# Altium PCB RTM_4SFP_3QSFP.PcbDoc (part 2 of 4) (continued)
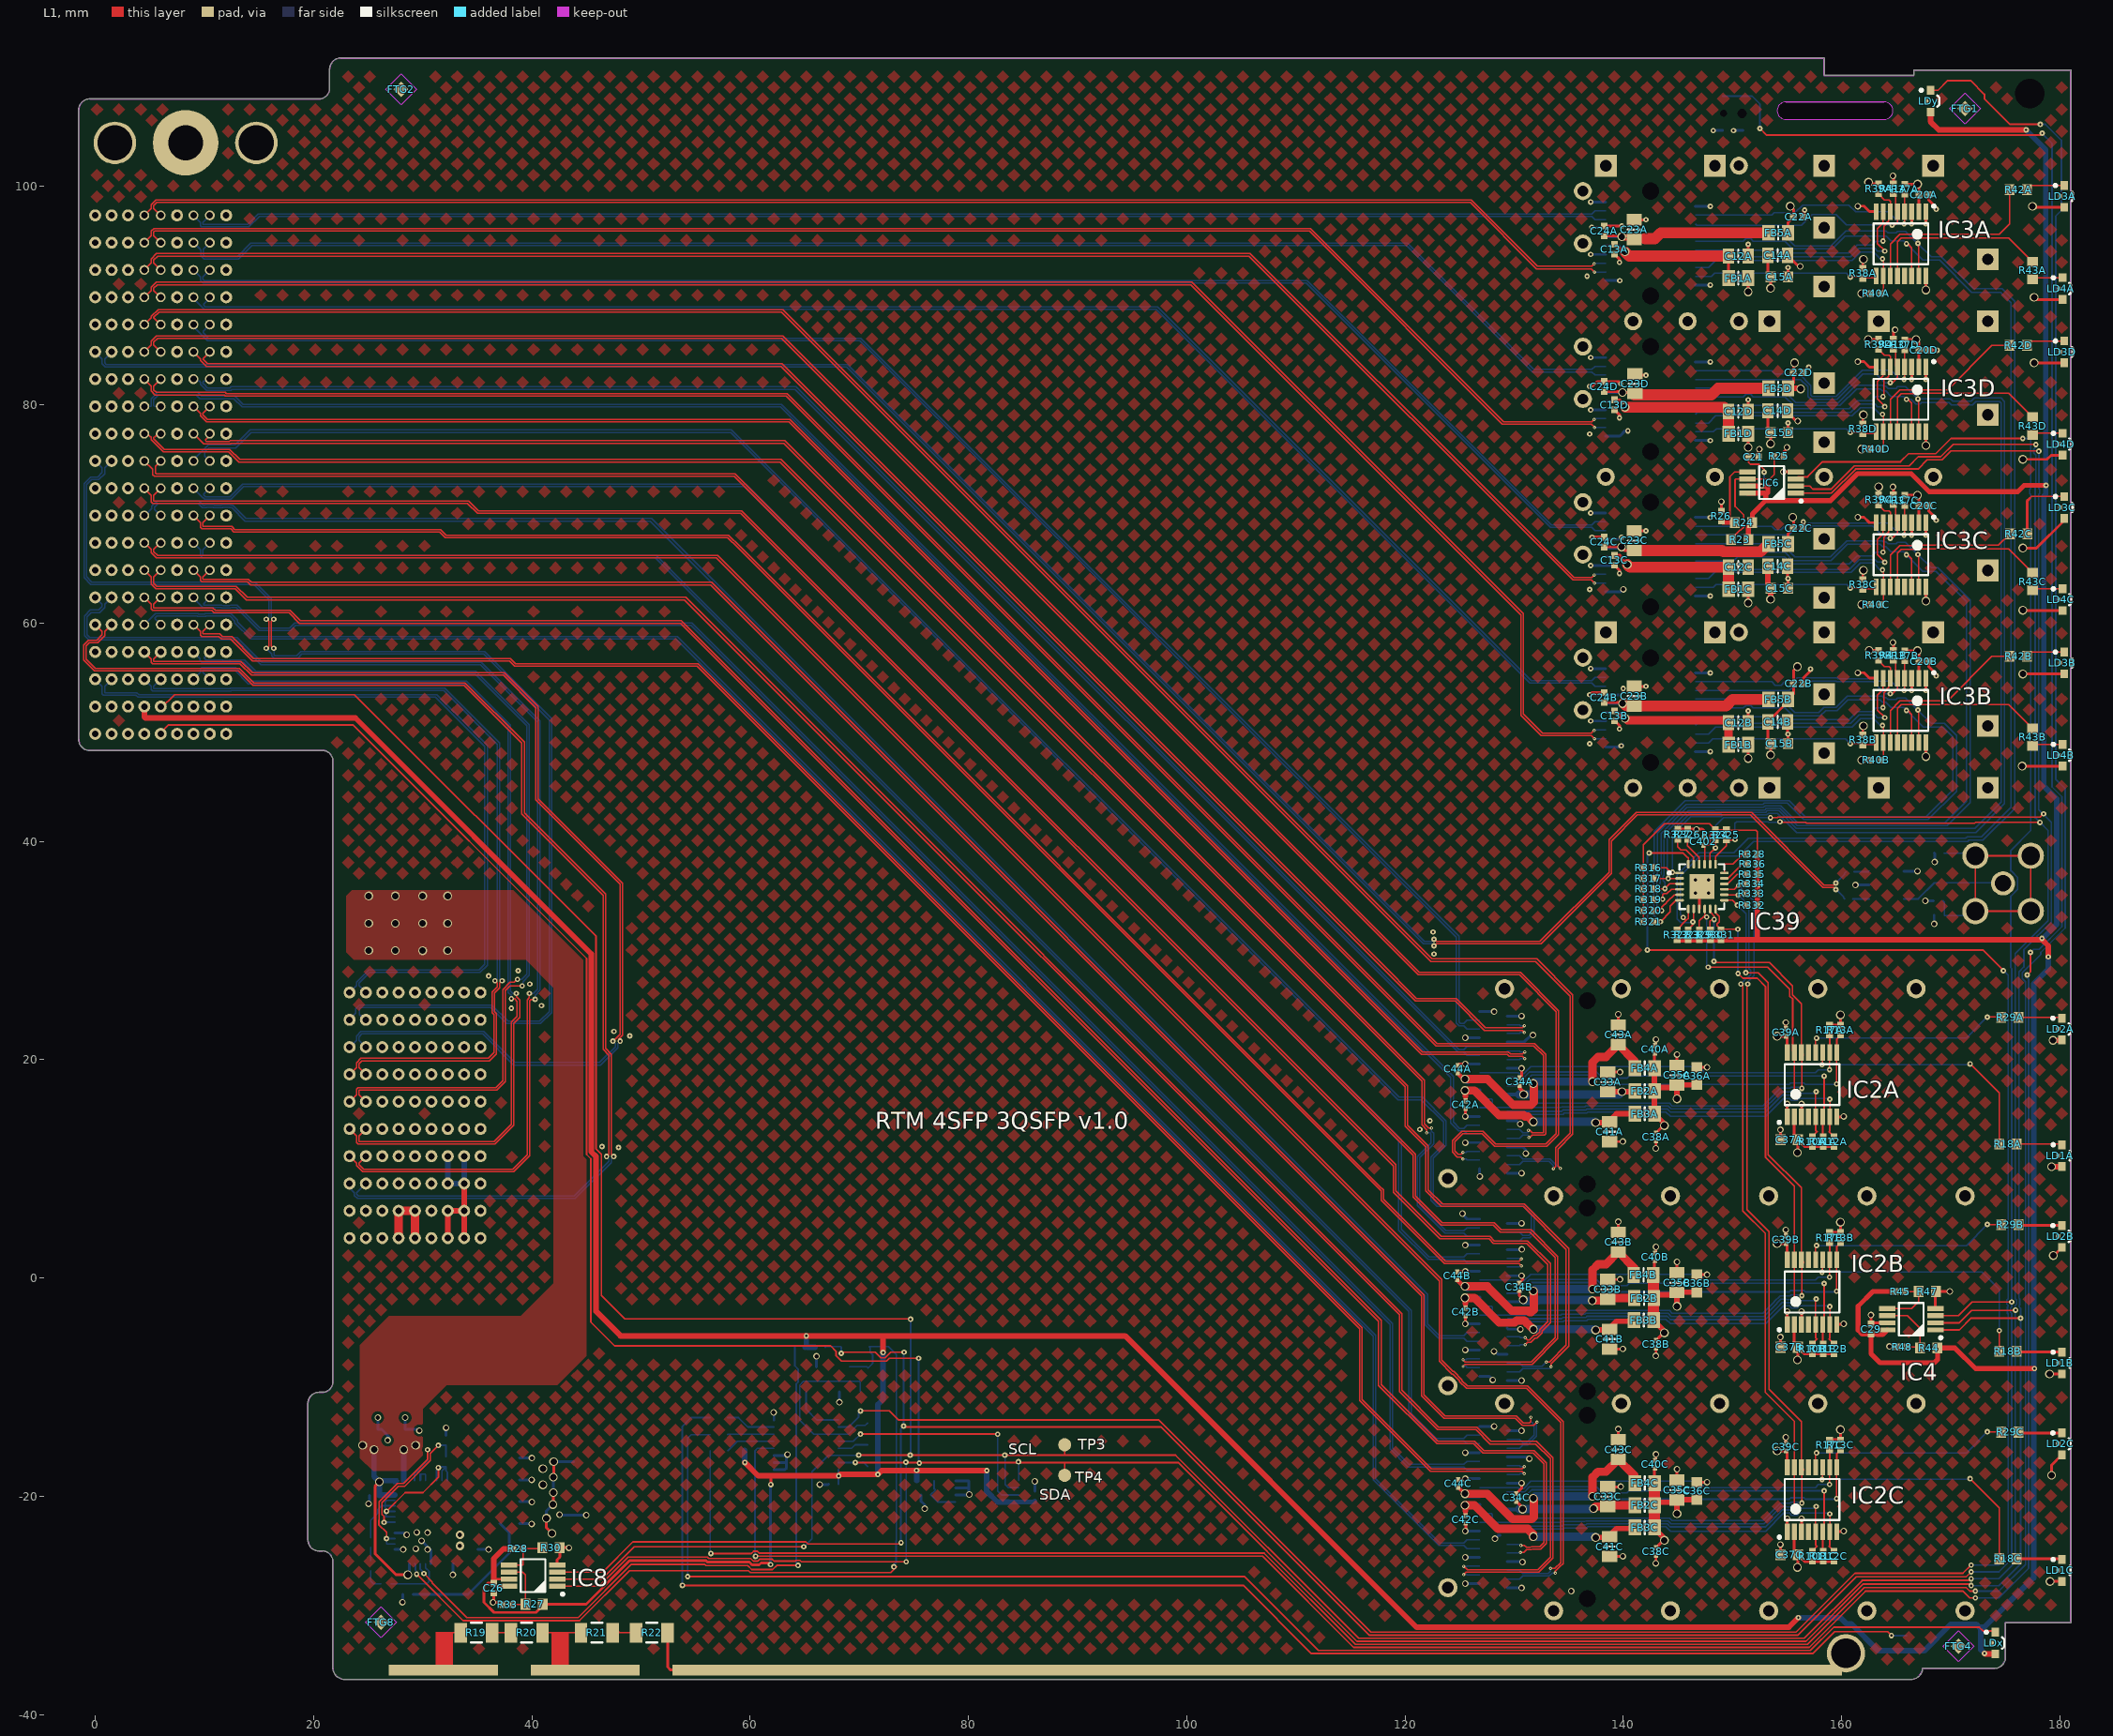
[diagram p0: L1 view]
## Nets (pads, with @x,y where several pads share a name; then routed paths per layer and width w, separated by ;. In a path a pad name is that pad's centre, name@x,y a point inside that pad or via, vN(x,y) a via of type N, cw(c..) or ccw(c..) an arc to the next point about the centre after c; other vN are vias at no path point) (continued)
  L4 w0.254: v2(25.041,-20.685) 25.141,-20.585 C8.1@25.141,-19.928 ; v2(25.891,-12.803) C6.1@25.891,-13.878 26.241,-13.878 26.791,-14.428 ; v2(26.791,-14.878) 26.791,-14.428 ; 26.932,-14.57 26.791,-14.428 ; IC1.42@27.466,-24.878 v2(28.217,-24.878) ; IC1.45@27.466,-23.378 28.387,-23.378 v2(28.541,-23.535) v2(28.541,-23.535) ; v2(28.146,-29.71) 28.191,-29.664 R3.1@28.191,-28.998 ; v2(28.393,-12.803) C7.1@28.393,-13.878 29.589,-13.878 v2(29.693,-13.983) ; IC1.53@29.903,-24.078 30.766,-24.941 IC1.35@30.766,-26.178 ; C11.1@32.146,-14.428 v2(32.146,-13.735) ; v2(32.766,-27.205) IC1.31@32.766,-26.178 ; IC1.26@35.066,-24.878 v2(36.041,-24.878) ; C1.1@38.891,-22.503 39.947,-22.503 v2(39.979,-22.535) ; C4.1@38.891,-20.503 39.979,-20.503 v2(40.01,-20.535) ; C3.1@38.891,-18.503 v2(39.985,-18.503) ; C2.1@38.891,-16.503 v2(40.01,-16.503) ; v2(42.541,-21.694) 42.575,-21.728 C5.2@43.841,-21.728 v2(44.991,-21.728) ; v2(62.154,-12.319) 62.186,-12.351 IC14.8@62.186,-13.014 ; IC14.1@62.186,-17.564 63.185,-17.564 63.34,-17.409 63.34,-16.848 ; IC14.2@62.186,-16.914 63.274,-16.914 63.34,-16.848 ; IC14.3@62.186,-16.264 63.34,-16.264 63.34,-16.848 ; T2.2@66.086,-8.139 66.086,-7.443 v2(66.086,-7.187) ; v2(66.396,-18.923) 67.152,-18.923 C27.2@67.186,-18.889 ; v2(68.186,-11.391) 68.186,-11.135 T1.2@68.186,-10.439 ; R75.1@75.646,-19.879 75.646,-20.44 76.002,-20.796 v2(76.002,-21.142) ; IC10.2@78.818,-19.879 80.051,-19.879 80.051,-19.371 ; IC10.3@78.818,-19.229 79.909,-19.229 80.051,-19.371 ; IC10.4@78.818,-18.579 79.996,-18.579 80.051,-18.634 80.051,-19.371 ; v2(86.081,-18.644) 86.106,-18.669 C25.2@86.106,-19.54 ; v2(125.27,5.889) 125.27,5.823 125.693,5.4 J5B.38@126.845,5.4 ; v2(125.518,-28) 125.774,-28 J5C.20@126.845,-28 ; v2(125.518,-25.6) J5C.23@126.845,-25.6 ; v2(125.518,-23.2) 125.774,-23.2 J5C.26@126.845,-23.2 ; v2(125.518,-18.4) 125.774,-18.4 J5C.32@126.845,-18.4 ; v2(125.518,-16) J5C.35@126.845,-16 ; v2(125.518,-6.6) J5B.23@126.845,-6.6 ; v2(125.518,-4.2) 125.774,-4.2 J5B.26@126.845,-4.2 ; v2(125.518,0.6) 125.774,0.6 J5B.32@126.845,0.6 ; v2(125.518,3) J5B.35@126.845,3 ; v2(125.518,12.4) J5A.23@126.845,12.4 ; v2(125.518,14.8) 125.774,14.8 J5A.26@126.845,14.8 ; v2(125.518,19.6) 125.774,19.6 J5A.32@126.845,19.6 ; v2(125.518,22) J5A.35@126.845,22 ; J5C.38@126.845,-13.6 v2(128.172,-13.6) ; J5B.20@126.845,-9 127.703,-9 v2(128.044,-9.342) ; J5A.20@126.845,10 126.845,9.307 v2(126.852,9.3) ; J5A.38@126.845,24.4 v2(128.172,24.4) ; v2(128.161,-6.725) 128.206,-6.68 128.526,-7 J5B.16@129.355,-7 ; v2(128.251,-23.892) 128.543,-23.6 J5C.13@128.715,-23.6 ; J5C.19@129.355,-28.4 v2(130.682,-28.4) ; J5C.16@129.355,-26 130.725,-26 v2(130.76,-26.035) ; J5C.7@129.355,-18.8 v2(130.682,-18.8) ; J5C.4@129.355,-16.4 131.24,-16.4 v2(131.397,-16.557) ; J5C.1@129.355,-14 v2(130.682,-14) ; J5B.19@129.355,-9.4 v2(130.682,-9.4) ; J5B.13@129.355,-4.6 129.454,-4.699 v2(130.581,-4.699) ; J5B.7@129.355,0.2 v2(130.682,0.2) ; J5B.4@129.355,2.6 130.695,2.6 v2(130.715,2.62) ; J5B.1@129.355,5 v2(130.682,5) ; J5A.19@129.355,9.6 v2(130.682,9.6) ; J5A.16@129.355,12 130.798,12 131.063,11.735 v2(131.063,11.405) ; J5A.13@129.355,14.4 130.253,14.4 v2(130.556,14.097) ; J5A.7@129.355,19.2 v2(130.682,19.2) ; J5A.4@129.355,21.6 130.896,21.6 131.547,22.25 v2(131.724,22.25) ; J5A.1@129.355,24 v2(130.682,24) ; v1(136.929,53.431) 136.935,53.425 CON1B.17@138.4,53.425 139.724,53.425 140,53.701 v1(140,54) ; v1(137.023,51.025) CON1B.14@138.4,51.025 ; v1(137.023,55.825) CON1B.20@138.4,55.825 ; v1(137.023,65.275) CON1C.14@138.4,65.275 139.225,65.275 139.66,64.84 v1(139.66,64.546) ; v1(137.023,70.075) CON1C.20@138.4,70.075 ; v1(137.023,79.525) CON1D.14@138.4,79.525 ; v1(137.023,84.325) CON1D.20@138.4,84.325 ; v1(137.023,93.775) CON1A.14@138.4,93.775 ; v1(137.023,98.575) CON1A.20@138.4,98.575 ; v1(137.125,96.266) 138.309,96.266 CON1A.17@138.4,96.175 138.6,96.375 v1(139.867,96.375) ; CON1B.11@138.4,48.625 139.687,48.625 v1(139.815,48.753) v1@139.943,48.881 ; CON1C.11@138.4,62.875 139.778,62.875 v2(140,63.097) ; CON1C.17@138.4,67.675 139.675,67.675 v1(139.841,67.841) ; CON1D.11@138.4,77.125 139.687,77.125 140.173,77.611 v1(140.427,77.611) ; CON1D.17@138.4,81.925 v1(139.777,81.925) ; CON1A.11@138.4,91.375 v1(139.687,91.375) ; CON1B.10@146.6,48.225 v1(147.977,48.225) ; CON1B.1@146.6,55.425 v1(147.977,55.425) ; CON1C.10@146.6,62.475 v1(147.977,62.475) ; CON1C.1@146.6,69.675 v1(147.977,69.675) ; CON1D.10@146.6,76.725 v1(147.977,76.725) ; CON1D.1@146.6,83.925 v1(147.977,83.925) ; CON1A.10@146.6,90.975 v1(147.977,90.975) ; CON1A.1@146.6,98.175 v1(147.977,98.175) ; v1(148.253,105.125) PB1.4@149.105,105.125 ; v1(150.103,105.125) PB1.3@150.955,105.125 ; v2(161.268,36) TR1.2@162.52,36 ; TR1.6@165.7,37.27 v2(166.952,37.27) ; v2(167.667,34.545) C18.1@168.41,34.545 ; v2(168.483,32.436) R2.1@168.483,33.2 ; C19.1@168.503,38.918 168.535,38.885 v2(168.535,38.1) 168.701,38.1 v2@168.762,38.038
  other v1: 47.94,11.944 46.431,12.04 121.361,13.6 122.286,14.4 48.971,22.174 47.524,22.586 38.125,24.714 40.888,24.948 39.812,26.918 36.037,27.666 38.755,28.149 122.657,29.667 122.58,31.699 136.929,48.95 136.929,63.071 136.929,77.321 136.688,91.775
  other v2: 135.234,-28.69 80.086,-19.844 63.424,-16.18 146.71,41.1
  other v5: 30.448,-24.878 29.367,-24.815 29.903,-24.08 30.448,-23.343 29.454,-23.304
  other v6: 146.61,35.255 147.81,35.255 146.61,36.455 147.81,36.455
  other v7: 33.416,-24.535 33.416,-23.532
GTP0RX_N: CON1A.12 J4.D10 | length 137.1
  L1 w0.117: J4.D10@6,97.35 5.362,97.988 5.362,98.241 5.657,98.537 125.988,98.537 132.062,92.463 137.058,92.463 ; 137.129,92.41 137.076,92.463 137.058,92.463 ; v4(137.359,92.162) 137.058,92.463
  L4 w0.117: v4(137.359,92.162) 138.388,92.162 CON1A.12@138.4,92.175
GTP0RX_P: CON1A.13 J4.C10 | length 137.3
  L1 w0.117: J4.C10@4.5,97.35 5.138,97.988 5.138,98.334 5.565,98.761 126.081,98.761 132.154,92.687 137.114,92.687 v4(137.335,92.908)
  L4 w0.117: v4(137.335,92.908) 137.402,92.975 CON1A.13@138.4,92.975
GTP0TX_N: CON1A.19 J4.F10 | length 130.2
  L4 w0.117: J4.F10@10.5,97.35 9.862,96.712 9.862,96.52 13.979,96.52 14.946,97.487 137.114,97.487 137.402,97.775 CON1A.19@138.4,97.775
GTP0TX_P: CON1A.18 J4.E10 | length 130.5
  L4 w0.117: J4.E10@9,97.35 9.638,96.712 9.638,96.399 9.74,96.297 14.072,96.297 15.038,97.263 137.114,97.263 137.402,96.975 CON1A.18@138.4,96.975
GTP1RX_N: CON1D.12 J4.D9 | length 141.8
  L1 w0.117: J4.D9@6,94.85 5.362,95.488 5.362,95.825 5.462,95.925 111.237,95.925 128.927,78.234 136.595,78.234 136.598,78.232 137.089,78.232 137.359,77.962 v4(137.359,77.912)
  L4 w0.117: v4(137.359,77.912) 138.388,77.912 CON1D.12@138.4,77.925
GTP1RX_P: CON1D.13 J4.C9 | length 142.1
  L1 w0.117: J4.C9@4.5,94.85 5.138,95.488 5.138,95.918 5.369,96.149 111.329,96.149 129.02,78.458 136.688,78.458 136.69,78.455 137.132,78.455 v4(137.335,78.658)
  L4 w0.117: v4(137.335,78.658) 137.402,78.725 CON1D.13@138.4,78.725
GTP1TX_N: CON1D.19 J4.F9 | length 135.3
  L4 w0.117: J4.F9@10.5,94.85 9.894,94.244 9.894,93.751 10.072,93.574 13.03,93.574 14.255,94.799 120.248,94.799 131.81,83.237 137.114,83.237 137.402,83.525 CON1D.19@138.4,83.525
GTP1TX_P: CON1D.18 J4.E9 | length 136.6
  L4 w0.117: 9.592,94.274 9.016,94.85 J4.E9@9,94.85 9.671,94.179 9.671,93.659 9.979,93.35 13.123,93.35 14.348,94.575 120.156,94.575 131.717,83.013 137.114,83.013 137.402,82.725 CON1D.18@138.4,82.725
GTP2RX_N: CON1C.12 J4.D8 | length 146.8
  L1 w0.117: J4.D8@6,92.35 5.362,92.988 5.362,93.271 5.716,93.625 105.725,93.625 135.387,63.963 137.058,63.963 v4(137.359,63.662)
  L4 w0.117: v4(137.359,63.662) 138.388,63.662 CON1C.12@138.4,63.675
GTP2RX_P: CON1C.13 J4.C8 | length 147.1
  L1 w0.117: J4.C8@4.5,92.35 5.138,92.988 5.138,93.364 5.623,93.849 105.818,93.849 129.283,70.383 135.479,64.187 137.114,64.187 v4(137.335,64.408)
  L4 w0.117: v4(137.335,64.408) 137.402,64.475 CON1C.13@138.4,64.475
GTP2TX_N: CON1C.19 J4.F8 | length 139.1
  L4 w0.117: J4.F8@10.5,92.35 9.862,91.712 9.862,91.5 9.987,91.375 111.035,91.375 133.423,68.987 137.114,68.987 137.402,69.275 CON1C.19@138.4,69.275
GTP2TX_P: CON1C.18 J4.E8 | length 139.5
  L4 w0.117: J4.E8@9,92.35 9.638,91.712 9.638,91.407 9.894,91.151 110.942,91.151 133.33,68.763 137.114,68.763 137.402,68.475 CON1C.18@138.4,68.475
GTP3RX_N: CON1B.12 J4.D7 | length 156.9
  L1 w0.117: J4.D7@6,89.85 5.362,90.488 5.362,90.673 5.689,91 100.392,91 130.64,60.752 130.64,51.559 132.497,49.701 136.977,49.701 137.07,49.701 v4(137.359,49.412)
  L4 w0.117: v4(137.359,49.412) 138.388,49.412 CON1B.12@138.4,49.425
GTP3RX_P: CON1B.13 J4.C7 | length 157.2
  L1 w0.117: J4.C7@4.5,89.85 5.138,90.488 5.138,90.766 5.596,91.224 100.484,91.224 130.863,60.844 130.863,51.652 132.59,49.925 137.063,49.925 137.297,50.158 v4(137.335,50.158)
  L4 w0.117: v4(137.335,50.158) 137.402,50.225 CON1B.13@138.4,50.225
GTP3TX_N: CON1B.19 J4.F7 | length 143.8
  L4 w0.117: J4.F7@10.5,89.85 10.5,89.794 9.937,89.231 9.937,89.134 10.092,88.979 97.317,88.979 98.061,88.235 131.271,55.025 131.559,54.737 137.114,54.737 137.402,55.025 CON1B.19@138.4,55.025
GTP3TX_P: CON1B.18 J4.E7 | length 144.2
  L4 w0.117: J4.E7@9,89.85 9,89.755 10,88.755 97.224,88.755 131.466,54.513 137.114,54.513 137.402,54.225 CON1B.18@138.4,54.225
GTP4RX_N: J4.D6 J5A.18 | length 178.1
  L1 w0.117: J4.D6@6,87.35 5.362,87.988 5.362,88 5.855,88.494 62.89,88.494 122.384,29 131.981,29 135.153,25.828 135.153,13.259 133.806,11.911 133.806,10.209 v4(133.604,10.008)
  L4 w0.117: J5A.18@129.355,10.4 130.503,10.4 130.792,10.688 133.203,10.688 133.604,10.287 v4(133.604,10.008)
GTP4RX_P: J4.C6 J5A.17 | length 179.4
  L1 w0.117: J4.C6@4.5,87.35 5.138,87.988 5.138,88.093 5.763,88.717 62.983,88.717 63.114,88.586 122.477,29.224 132.074,29.224 135.377,25.92 135.377,13.166 134.029,11.819 134.029,10.235 v4(134.231,10.033)
  L4 w0.117: J5A.17@129.355,11.2 130.503,11.2 130.792,10.912 133.295,10.912 133.762,10.445 133.768,10.445 134.18,10.033 v4(134.231,10.033)
GTP4TX_N: J4.F6 J5A.37 | length 148.9
  L4 w0.117: J4.F6@10.5,87.35 9.894,86.744 9.894,86.6 10.394,86.1 70.147,86.1 124.938,31.309 124.938,23.444 125.07,23.312 125.409,23.312 125.697,23.6 J5A.37@126.845,23.6
GTP4TX_P: J4.E6 J5A.36 | length 149.3
  L4 w0.117: J4.E6@9,87.35 9,87.178 10.302,85.877 70.054,85.877 124.714,31.217 124.714,23.351 124.977,23.088 125.409,23.088 125.697,22.8 J5A.36@126.845,22.8
GTP5RX_N: J4.D5 J5A.21 | length 181.1
  L1 w0.117: J4.D5@6,84.85 5.362,85.488 5.362,85.725 5.717,86.081 62.89,86.081 121.204,27.767 130.489,27.767 133.858,24.398 133.858,13.206 132.92,12.268 128.321,12.268 127.165,13.424 125.198,13.424 124.34,12.566 124.34,11.522 124.774,11.088 125.114,11.088 v4(125.316,10.887)
  L4 w0.117: v4(125.316,10.887) 125.61,10.887 125.697,10.8 J5A.21@126.845,10.8
GTP5RX_P: J4.C5 J5A.22 | length 181.5
  L1 w0.117: J4.C5@4.5,84.85 5.138,85.488 5.138,85.818 5.625,86.304 62.983,86.304 63.114,86.173 121.296,27.991 130.581,27.991 134.082,24.491 134.082,13.114 133.012,12.045 128.228,12.045 127.073,13.2 125.29,13.2 124.563,12.473 124.563,11.615 124.866,11.312 125.114,11.312 v4(125.316,11.514)
  L4 w0.117: v4(125.316,11.514) 125.61,11.514 125.697,11.6 J5A.22@126.845,11.6
GTP5TX_N: J4.F5 J5A.2 | length 149.1
  L1 w0.117: J4.F5@10.5,84.85 9.862,84.212 9.862,84.176 10.289,83.749 62.922,83.749 63.053,83.618 117.729,28.942 121.068,25.603 124.689,25.603 127.38,22.912 130.744,22.912 v4(130.945,23.114)
  L4 w0.117: J5A.2@129.355,23.2 130.503,23.2 130.59,23.114 v4(130.945,23.114)
GTP5TX_P: J4.E5 J5A.3 | length 149.5
  L1 w0.117: J4.E5@9,84.85 9.638,84.212 9.638,84.083 10.196,83.525 62.83,83.525 117.571,28.784 120.975,25.38 124.596,25.38 127.287,22.688 130.744,22.688 v4(130.945,22.487)
  L4 w0.117: J5A.3@129.355,22.4 130.503,22.4 130.59,22.487 v4(130.945,22.487)
GTP6RX_N: J4.D4 J5A.15 | length 165.2
  L1 w0.117: J4.D4@6,82.35 5.362,81.712 5.362,81.359 5.596,81.125 11.907,81.125 12,81.032 63.404,81.032 63.535,80.901 122.947,21.488 131.89,21.488 132.904,20.475 132.904,13.219 132.773,13.088 131.645,13.088 131.435,12.878 v4(131.343,12.878)
  L4 w0.117: J5A.15@129.355,12.8 130.503,12.8 130.792,13.088 131.242,13.088 131.343,12.986 v4(131.343,12.878)
GTP6RX_P: J4.C4 J5A.14 | length 164.9
  L1 w0.117: J4.C4@4.5,82.35 5.138,81.712 5.138,81.255 5.492,80.902 11.814,80.902 11.907,80.808 63.311,80.808 122.855,21.265 131.798,21.265 132.681,20.382 132.681,13.312 131.645,13.312 131.443,13.514 v4(131.31,13.514)
  L4 w0.117: J5A.14@129.355,13.6 130.503,13.6 130.792,13.312 131.242,13.312 131.31,13.38 v4(131.31,13.514)
GTP6TX_N: J4.F4 J5A.34 | length 143.3
  L4 w0.117: J4.F4@10.5,82.35 10.312,82.162 9.964,82.162 9.862,82.059 9.862,81.963 9.918,81.907 9.939,81.907 10.294,81.552 12.331,81.552 12.422,81.644 64.223,81.644 124.954,20.912 125.409,20.912 125.697,21.2 J5A.34@126.845,21.2
GTP6TX_P: J4.E4 J5A.33 | length 143.7
  L4 w0.117: J4.E4@9,82.35 9.188,82.162 9.536,82.162 9.638,82.059 9.638,81.87 9.715,81.793 10.18,81.328 12.423,81.328 12.515,81.42 64.13,81.42 124.862,20.688 125.409,20.688 125.697,20.4 J5A.33@126.845,20.4
GTP7RX_N: J4.D3 J5A.24 | length 153.4
  L4 w0.117: J4.D3@6,79.85 5.43,79.85 5.362,79.918 5.362,80.47 5.794,80.902 9.276,80.902 9.617,80.56 12.702,80.56 13.447,79.815 62.772,79.815 121.711,20.876 124.206,18.381 124.206,14.187 124.905,13.488 125.409,13.488 125.697,13.2 J5A.24@126.845,13.2
GTP7RX_P: J4.C3 J5A.25 | length 153.8
  L4 w0.117: J4.C3@4.5,79.85 5.07,79.85 5.138,79.918 5.138,80.562 5.701,81.125 9.368,81.125 9.71,80.784 12.794,80.784 13.539,80.039 62.865,80.039 121.803,21.1 124.43,18.474 124.43,14.28 124.998,13.712 125.409,13.712 125.697,14 J5A.25@126.845,14
GTP7TX_N: J4.F3 J5A.5 | length 148.1
  L1 w0.117: J4.F3@10.5,79.85 9.862,79.212 9.862,79.096 10.299,78.659 63.639,78.659 63.77,78.528 121.609,20.688 129.491,20.688 129.667,20.512 130.774,20.512 v4(130.976,20.714)
  L4 w0.117: J5A.5@129.355,20.8 130.503,20.8 130.59,20.714 v4(130.976,20.714)
GTP7TX_P: J4.E3 J5A.6 | length 148.5
  L1 w0.117: J4.E3@9,79.85 9.638,79.212 9.638,79.003 10.206,78.435 63.546,78.435 121.517,20.465 129.398,20.465 129.574,20.288 130.774,20.288 v4(130.976,20.087)
  L4 w0.117: J5A.6@129.355,20 130.503,20 130.59,20.087 v4(130.976,20.087)
GTP8RX_N: J4.D2 J5B.18 | length 181.5
  L1 w0.117: J4.D2@6,77.35 5.734,77.35 5.461,77.077 5.43,77.077 5.362,77.009 5.362,76.912 6.353,75.921 12.321,75.921 13.261,74.981 62.851,74.981 120.239,17.593 120.239,14.004 122.144,12.099 122.144,8.072 123.439,6.777 130.932,6.777 134.996,2.713 134.996,-6.265 133.397,-7.864 v4(133.397,-8.149)
  L4 w0.117: J5B.18@129.355,-8.6 130.503,-8.6 130.792,-8.312 133.234,-8.312 v4(133.397,-8.149)
GTP8RX_P: J4.C2 J5B.17 | length 180.9
  L1 w0.117: J4.C2@4.5,77.35 4.766,77.35 5.039,77.077 5.07,77.077 5.138,77.009 5.138,76.82 6.261,75.697 12.229,75.697 13.169,74.757 62.758,74.757 120.015,17.501 120.015,13.911 121.92,12.006 121.92,7.98 123.346,6.553 130.839,6.553 134.772,2.62 134.772,-6.172 133.239,-7.706 v4(132.953,-7.706)
  L4 w0.117: J5B.17@129.355,-7.8 130.503,-7.8 130.792,-8.088 132.571,-8.088 v4(132.953,-7.706)
GTP8TX_N: J4.F2 J5B.37 | length 155.8
  L1 w0.117: J4.F2@10.5,77.35 10.5,77.216 10.103,76.819 10.103,76.708 10.171,76.64 12.294,76.64 12.357,76.703 63.184,76.703 121.777,18.11 121.777,14.113 122.158,13.732 v4(122.444,13.732)
  L4 w0.117: v4(122.444,13.732) 122.444,13.446 122.625,13.265 122.625,12.287 121.361,11.024 121.361,6.725 123.774,4.312 125.409,4.312 125.697,4.6 J5B.37@126.845,4.6
GTP8TX_P: J4.E2 J5B.36 | length 156.5
  L1 w0.117: J4.E2@9,77.35 9.934,76.416 12.387,76.416 12.45,76.479 63.092,76.479 121.553,18.018 121.553,14.02 122,13.574 v4(122,13.288)
  L4 w0.117: v4(122,13.288) 122.286,13.288 122.401,13.172 122.401,12.38 121.138,11.116 121.138,6.632 123.682,4.088 125.409,4.088 125.697,3.8 J5B.36@126.845,3.8
GTP9RX_N: J4.D1 J5B.21 | length 180.6
  L1 w0.117: J4.D1@6,74.85 5.512,74.362 5.512,73.762 5.613,73.66 58.643,73.66 120.975,11.327 120.975,7.498 123.398,5.075 128.173,5.075 128.825,4.424 131.558,4.424 134.001,1.98 134.001,-5.558 131.647,-7.912 125.525,-7.912 v4(125.324,-8.113)
  L4 w0.117: v4(125.324,-8.113) 125.61,-8.113 125.697,-8.2 J5B.21@126.845,-8.2
GTP9RX_P: J4.C1 J5B.22 | length 180.4
  L1 w0.117: J4.C1@4.5,74.85 5.258,74.092 5.258,73.598 5.419,73.436 58.55,73.436 120.752,11.235 120.752,7.405 123.306,4.851 128.081,4.851 128.732,4.2 131.465,4.2 133.778,1.887 133.778,-5.465 131.555,-7.688 125.525,-7.688 v4(125.324,-7.486)
  L4 w0.117: v4(125.324,-7.486) 125.61,-7.486 125.697,-7.4 J5B.22@126.845,-7.4
GTP9TX_N: J4.F1 J5B.2 | length 163
  L4 w0.117: J4.F1@10.5,74.85 10.029,75.321 10.029,75.668 10.396,76.035 12.866,76.035 14.3,77.47 58.219,77.47 119.362,16.327 121.496,16.327 123.546,14.277 123.546,12.243 122.382,11.079 122.382,7.098 122.927,6.553 130.839,6.553 131.596,5.796 131.596,4.134 131.374,3.912 130.792,3.912 130.503,4.2 J5B.2@129.355,4.2
GTP9TX_P: J4.E1 J5B.3 | length 164.2
  L4 w0.117: J4.E1@9,74.85 9,74.955 10.366,76.321 12.836,76.321 14.208,77.694 58.126,77.694 58.146,77.714 58.292,77.714 119.454,16.551 121.588,16.551 123.769,14.37 123.769,12.15 122.606,10.987 122.606,7.191 123.02,6.777 130.932,6.777 131.82,5.889 131.82,4.041 131.654,3.875 ; J5B.3@129.355,3.4 130.503,3.4 130.792,3.688 131.467,3.688 131.588,3.81
GTP10RX_N: J2.D10 J5B.15 | length 170.1
  L1 w0.117: J2.D10@6,72.35 5.362,71.712 5.362,71.191 34.2,71.191 35.107,70.284 59.231,70.284 61.8,67.715 118.11,11.405 119.151,10.363 119.151,7.958 123.31,3.8 127.786,3.8 128.186,3.4 131.252,3.4 133.32,1.333 133.32,-4.104 132.574,-4.85 132.574,-5.031 132.106,-5.499 131.925,-5.499 131.512,-5.912 131.213,-5.912 v4(131.012,-6.113)
  L4 w0.117: J5B.15@129.355,-6.2 130.503,-6.2 130.59,-6.113 v4(131.012,-6.113)
GTP10RX_P: J2.C10 J5B.14 | length 169.7
  L1 w0.117: J2.C10@4.5,72.35 5.138,71.712 5.138,71.098 5.269,70.967 34.108,70.967 35.015,70.06 59.138,70.06 61.576,67.622 118.928,10.271 118.928,7.866 123.217,3.576 127.694,3.576 128.094,3.176 131.16,3.176 133.096,1.24 133.096,-4.012 132.35,-4.757 132.35,-4.938 132.013,-5.275 131.833,-5.275 131.42,-5.688 131.213,-5.688 v4(131.012,-5.486)
  L4 w0.117: J5B.14@129.355,-5.4 130.503,-5.4 130.59,-5.486 v4(131.012,-5.486)
GTP10TX_N: J2.F10 J5B.34 | length 152.6
  L4 w0.117: J2.F10@10.5,72.35 10.492,72.35 9.957,71.815 9.957,71.727 10.132,71.552 12.331,71.552 13.519,72.741 59.599,72.741 119.659,12.681 119.659,4.47 122.218,1.912 125.409,1.912 125.697,2.2 J5B.34@126.845,2.2
GTP10TX_P: J2.E10 J5B.33 | length 153
  L4 w0.117: J2.E10@9,72.35 9.862,71.488 9.88,71.488 10.039,71.328 12.423,71.328 13.612,72.517 59.507,72.517 119.436,12.588 119.436,4.378 122.125,1.688 125.409,1.688 125.697,1.4 J5B.33@126.845,1.4
GTP11RX_N: J2.D9 J5B.24 | length 156
  L4 w0.117: J2.D9@6,69.85 5.436,70.414 5.436,70.621 5.782,70.967 9.432,70.967 9.829,70.571 10.145,70.571 10.185,70.611 10.815,70.611 10.855,70.571 11.645,70.571 11.685,70.611 12.315,70.611 12.355,70.571 12.513,70.571 13.735,69.35 50.862,69.35 121.777,-1.565 121.844,-1.631 121.844,-4.304 123.052,-5.512 125.409,-5.512 125.697,-5.8 J5B.24@126.845,-5.8
GTP11RX_P: J2.C9 J5B.25 | length 156.5
  L4 w0.117: J2.C9@4.5,69.85 4.556,69.85 5.182,70.476 5.182,70.683 5.69,71.191 9.525,71.191 9.921,70.795 10.053,70.795 10.092,70.834 10.908,70.834 10.947,70.795 11.553,70.795 11.592,70.834 12.408,70.834 12.447,70.795 12.606,70.795 13.827,69.574 50.955,69.574 122.067,-1.539 122.067,-4.211 123.144,-5.288 125.409,-5.288 125.697,-5 J5B.25@126.845,-5
GTP11TX_N: J2.F9 J5B.5 | length 152
  L1 w0.117: J2.F9@10.5,69.85 9.862,69.212 9.862,68.85 12.52,68.85 12.798,68.571 31.662,68.571 32.173,68.06 58.027,68.06 59.087,67 117.715,8.372 118.037,8.051 118.037,7.208 123.721,1.524 124.563,1.524 130.456,1.524 v4(130.658,1.726)
  L4 w0.117: J2.F9@10.5,69.85 J2.F9@10.579,69.771 ; J5B.5@129.355,1.8 130.503,1.8 130.578,1.726 v4(130.658,1.726)
GTP11TX_P: J2.E9 J5B.6 | length 152.1
  L1 w0.117: J2.E9@9,69.85 9.638,69.212 9.638,68.757 9.769,68.626 12.427,68.626 12.706,68.348 31.569,68.348 32.08,67.837 57.935,67.837 58.864,66.907 58.995,66.776 117.813,7.958 117.813,7.115 123.628,1.3 124.471,1.3 ; 124.56,1.3 124.471,1.3 ; v4(130.658,1.099) 130.456,1.3 124.471,1.3
  L4 w0.117: J5B.6@129.355,1 130.503,1
GTP12RX_N: J2.D8 J5C.18 | length 186.4
  L1 w0.117: J2.D8@6,67.35 5.961,67.35 5.362,66.751 5.362,66.557 5.717,66.202 57.017,66.202 122.533,0.685 123.378,-0.159 123.378,-7.548 124.411,-8.581 124.473,-8.581 125.234,-9.342 125.234,-9.404 125.73,-9.9 130.474,-9.9 130.89,-9.901 131.232,-9.9 134.488,-13.156 134.488,-26.172 134.202,-26.458 133.778,-26.882 v4(133.778,-27.047)
  L4 w0.117: J5C.18@129.355,-27.6 130.503,-27.6 130.792,-27.312 133.228,-27.312 133.492,-27.047 v4(133.778,-27.047)
GTP12RX_P: J2.C8 J5C.17 | length 186.1
  L1 w0.117: J2.C8@4.5,67.35 4.539,67.35 5.138,66.751 5.138,66.464 5.624,65.978 56.924,65.978 122.014,0.889 122.31,0.593 122.441,0.462 123.155,-0.252 123.155,-7.64 124.319,-8.804 124.381,-8.804 125.011,-9.434 125.011,-9.497 125.638,-10.124 130.382,-10.124 130.982,-10.124 131.139,-10.124 134.264,-13.249 134.264,-26.079 133.74,-26.604 v4(133.334,-26.604)
  L4 w0.117: J5C.17@129.355,-26.8 130.503,-26.8 130.792,-27.088 133.135,-27.088 133.334,-26.889 v4(133.334,-26.604)
GTP12TX_N: J2.F8 J5C.37 | length 157.5
  L4 w0.117: J2.F8@10.5,67.35 9.855,66.705 9.855,66.266 9.919,66.202 51.407,66.202 120.58,-2.97 120.58,-12.415 122.853,-14.688 125.409,-14.688 125.697,-14.4 J5C.37@126.845,-14.4
GTP12TX_P: J2.E8 J5C.36 | length 157.9
  L4 w0.117: J2.E8@9,67.35 9.632,66.718 9.632,66.174 9.769,66.036 9.827,65.978 51.315,65.978 120.356,-3.063 120.356,-12.508 122.76,-14.912 125.409,-14.912 125.697,-15.2 J5C.36@126.845,-15.2
GTP13RX_N: J2.D7 J5C.21 | length 186.4
  L1 w0.117: J2.D7@6,64.85 5.362,64.212 5.362,63.675 5.665,63.372 12.91,63.372 13.932,62.35 54.095,62.35 119.718,-3.273 119.718,-10.3 123.083,-13.665 126.58,-13.665 127.9,-14.986 132.067,-14.986 133.548,-16.467 133.548,-25.684 132.263,-26.97 125.609,-26.97 125.401,-27.177 v4(125.374,-27.177)
  L4 w0.117: v4(125.374,-27.177) 125.674,-27.177 125.697,-27.2 J5C.21@126.845,-27.2
GTP13RX_P: J2.C7 J5C.22 | length 186.1
  L1 w0.117: J2.C7@4.5,64.85 5.138,64.212 5.138,63.582 5.572,63.148 12.817,63.148 13.839,62.126 54.002,62.126 119.495,-3.366 119.495,-10.393 122.991,-13.889 126.487,-13.889 127.808,-15.21 131.975,-15.21 133.325,-16.56 133.325,-25.592 132.17,-26.746 125.725,-26.746 125.401,-26.423 v4(125.374,-26.423)
  L4 w0.117: v4(125.374,-26.423) 125.674,-26.423 125.697,-26.4 J5C.22@126.845,-26.4
GTP13TX_N: J2.F7 J5C.2 | length 165.3
  L1 w0.117: J2.F7@10.5,64.85 9.862,64.212 9.862,64 14.042,64 14.317,63.725 56.487,63.725 121.754,-1.542 121.754,-10.726 123.678,-12.65 130.203,-12.65 130.853,-13.3 131.404,-13.3 131.547,-13.157 v4(131.547,-12.776)
  L4 w0.117: J5C.2@129.355,-14.8 130.503,-14.8 130.792,-15.088 131.14,-15.088 131.826,-14.402 131.826,-13.535 131.685,-13.394 131.685,-13.296 131.547,-13.157 v4(131.547,-12.776)
GTP13TX_P: J2.E7 J5C.3 | length 165.8
  L1 w0.117: J2.E7@9,64.85 9.638,64.212 9.638,63.907 9.769,63.776 13.949,63.776 14.224,63.501 56.395,63.501 121.53,-1.634 121.53,-10.818 123.586,-12.874 130.11,-12.874 130.76,-13.524 131.804,-13.524 v4(132.11,-13.218)
  L4 w0.117: J5C.3@129.355,-15.6 130.503,-15.6 130.792,-15.312 131.233,-15.312 132.05,-14.495 132.05,-13.218 132.05,-13.157 v4(132.11,-13.218)
GTP14RX_N: J2.D6 J5C.15 | length 176.1
  L1 w0.117: J2.D6@6,62.35 5.362,61.712 5.362,61.392 10.776,61.392 11,61.168 17.837,61.168 18.805,60.2 53.719,60.2 53.784,60.134 117.805,-3.886 117.805,-9.749 123.017,-14.961 126.376,-14.961 127.232,-15.817 131.85,-15.817 132.958,-16.925 132.958,-24.319 132.431,-24.846 131.654,-24.846 131.588,-24.912 131.126,-24.912 130.88,-25.158 v4(130.577,-25.158)
  L4 w0.117: J5C.15@129.355,-25.2 130.503,-25.2 130.545,-25.158 v4(130.577,-25.158)